# Altium PCB Booster_Main_Board.PcbDoc (part 9 of 11)
Units mil, origin at the board's own origin, x right, y up, seen from the top; angles counter-clockwise.
Board outline 15748.38 x 4626.33 mil, 4 copper layers (Component Side, Signal Layer 1, Power Plane, Solder Side), stack 63.149 mil thick; 999 components, 572 nets, 2902 pads, 1949 vias.
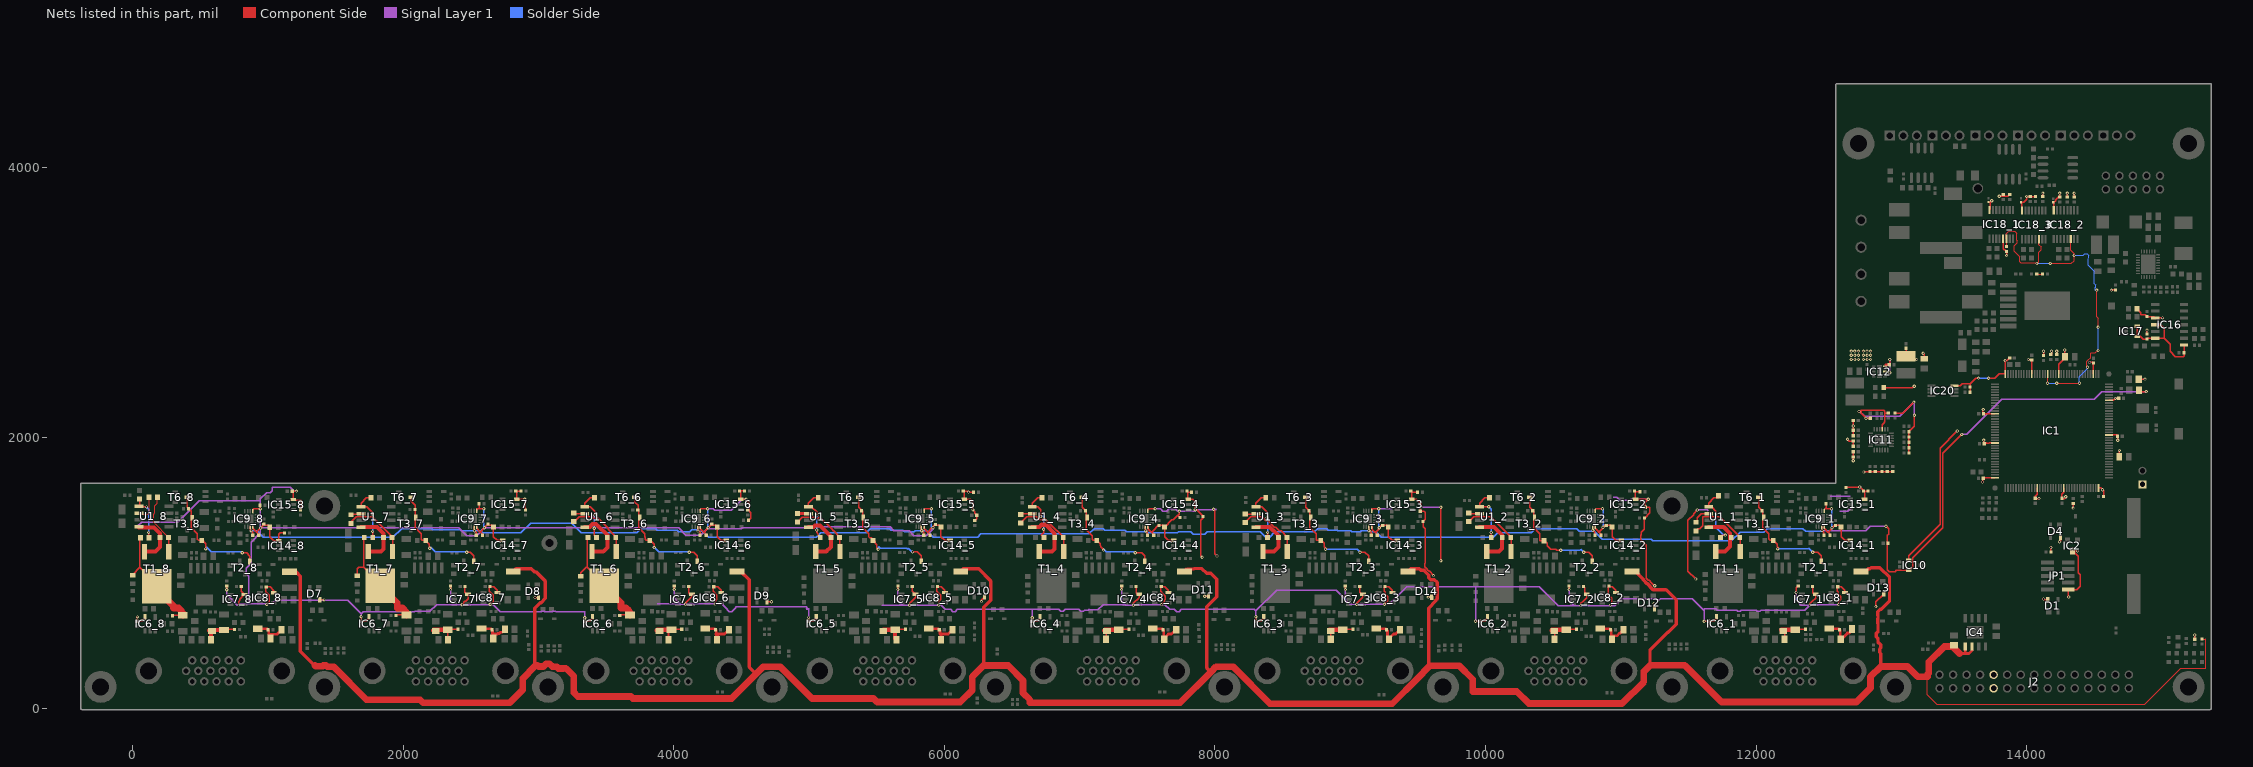
[diagram p11: the nets of this part, all layers, seen from the top]

## Via types
v1: diameter 23.62, hole 11.81, Component Side to Solder Side, tented both sides, 1910 vias
v2: diameter 50, hole 28, Component Side to Solder Side, tented both sides, 24 vias
v3: diameter 23.62, hole 11.81, Component Side to Solder Side, 10 vias
v4: diameter 47.24, hole 31.5, Component Side to Solder Side, 5 vias

## Nets (pads, with @x,y where several pads share a name; then routed paths per layer and width w, separated by ;. In a path a pad name is that pad's centre, name@x,y a point inside that pad or via, vN(x,y) a via of type N, cw(c..) or ccw(c..) an arc to the next point about the centre after c; other vN are vias at no path point) (continued)
NetR7_6_2: R7_6.2 R8_6.2 R37_6.2 R44_6.2 T1_6.3 | length 851.6
  Component Side w10: R7_6.2@3312.84,975.68 3312.84,1001.84 3353.03,1042.03 3360.2,1042.03 ; R8_6.2@3365.59,1261.14 3360.2,1255.75 3360.2,1042.03 ; T1_6.3@3394.09,1008.14 3360.2,1042.03 ; T1_6.3@3484.65,903.78 T1_6.3@3553.54,972.68 ; R44_6.2@3600.59,685 3604.65,689.06 R37_6.2@3677.09,689.06
  Component Side w50: T1_6.3@3484.65,903.78 3609.09,779.33 3609.09,758.33 3609.9,757.53 3609.9,740.83 3647.6,740.83 3664.28,724.15 3664.28,718.75 3677.09,705.94 R37_6.2@3677.09,689.06
NetR7_7_2: R7_7.2 R8_7.2 R37_7.2 R44_7.2 T1_7.3 | length 864.8
  Component Side w10: R7_7.2@1660.3,978.68 1660.3,1031.3 1671.03,1042.03 1706.65,1042.03 ; R8_7.2@1712.05,1261.14 1706.65,1255.75 1706.65,1042.03 ; T1_7.3@1740.54,1008.14 1706.65,1042.03 ; T1_7.3@1831.1,903.78 T1_7.3@1900,972.68 ; R44_7.2@1947.05,685 1951.1,689.06 R37_7.2@2023.54,689.06
  Component Side w50: T1_7.3@1831.1,903.78 1955.55,779.33 1955.55,758.33 1956.35,757.53 1956.35,740.83 1994.06,740.83 2010.73,724.15 2010.73,718.75 2023.54,705.94 R37_7.2@2023.54,689.06
NetR7_8_2: R7_8.2 R8_8.2 R37_8.2 R44_8.2 T1_8.3 | length 841
  Component Side w10: R7_8.2@0,983.27 0,987.78 53.11,1040.89 ; R8_8.2@58.5,1260 53.11,1254.61 53.11,1040.89 ; T1_8.3@87,1007 53.11,1040.89 ; T1_8.3@177.56,902.64 T1_8.3@246.46,971.54 ; R44_8.2@293.5,683.86 297.56,687.91 R37_8.2@370,687.91
  Component Side w50: T1_8.3@177.56,902.64 177.56,881.64 302.81,756.39 302.81,739.69 340.51,739.69 357.19,723.01 357.19,717.61 370,704.8 R37_8.2@370,687.91
NetR8_1_1: R8_1.1 R9_1.2 U1_1.5 | length 446.5
  Component Side w10: v1(11702.76,1437.01) 11702.76,1456.69 11670.83,1488.62 U1_1.5@11649.02,1488.62 11649.02,1514.98 11688.4,1554.37 R9_1.2@11721.85,1554.37 ; R8_1.1@11735.67,1261.14 11734,1259.47 11732.26,1261.21 11750.58,1279.53 v1(11771.65,1279.53)
  Solder Side w10: v1(11702.76,1437.01) 11702.76,1337.24 11760.47,1279.53 v1(11771.65,1279.53)
NetR8_2_1: R8_2.1 R9_2.2 U1_2.5 | length 416.8
  Component Side w10: U1_2.5@9956.1,1488.62 9956.1,1514.98 9995.49,1554.37 R9_2.2@10028.94,1554.37 ; U1_2.5@9963.19,1488.62 v1(10023.74,1488.62) ; v1(10042,1298.42) 10042,1275 10035.45,1268.45 R8_2.1@10042.76,1261.14
  Solder Side w10: v1(10023.74,1488.62) 10042,1470.36 v1(10042,1298.42)
NetR8_3_1: R8_3.1 R9_3.2 U1_3.5 | length 413.2
  Component Side w10: R9_3.2@8375.39,1554.37 8341.94,1554.37 8302.56,1514.98 U1_3.5@8302.56,1488.62 8344.06,1488.62 8385.83,1446.85 v1(8385.83,1407.48) ; v1(8389,1298.96) 8389,1281 8379.18,1271.18 R8_3.1@8389.21,1261.14
  Solder Side w10: v1(8385.83,1407.48) 8389,1407.48 v1(8389,1298.96)
NetR8_4_1: R8_4.1 R9_4.2 U1_4.5 | length 430.9
  Component Side w10: v1(6712.59,1417.32) 6712.59,1466.55 6690.51,1488.62 U1_4.5@6649.02,1488.62 6649.02,1514.98 6688.4,1554.37 R9_4.2@6721.85,1554.37 ; v1(6733,1323) 6733,1296.5 6716.65,1280.16 R8_4.1@6735.67,1261.14
  Solder Side w10: v1(6712.59,1417.32) 6714.11,1418.85 6733,1418.85 v1(6733,1323)
NetR8_5_1: R8_5.1 R9_5.2 U1_5.5 | length 397.8
  Component Side w10: v1(5056,1317) 5056,1299.05 5069,1286.05 5063.11,1280.16 R8_5.1@5082.13,1261.14 ; v1(5059.06,1427.17) 5059.06,1446.85 5017.28,1488.62 U1_5.5@4995.47,1488.62 4995.47,1514.98 5034.86,1554.37 R9_5.2@5068.31,1554.37
  Solder Side w10: v1(5056,1317) v1@5056,1427.17
NetR8_6_1: R8_6.1 R9_6.2 U1_6.5 | length 406
  Component Side w10: v1(3412,1330) 3412,1277.72 R8_6.1@3428.58,1261.14 ; R9_6.2@3414.76,1554.37 3381.32,1554.37 3341.93,1514.98 U1_6.5@3341.93,1488.62 3383.43,1488.62 3415.35,1456.69 v1(3415.35,1427.17)
  Solder Side w10: v1(3412,1330) 3412,1423.81 v1(3415.35,1427.17)
NetR8_7_1: R8_7.1 R9_7.2 U1_7.5 | length 403.2
  Component Side w10: R9_7.2@1761.22,1554.37 1727.77,1554.37 1688.39,1514.98 U1_7.5@1688.39,1488.62 1729.88,1488.62 1771.65,1446.85 v1(1771.65,1437.01) ; v1(1774,1307) 1774,1262.18 R8_7.1@1775.04,1261.14
  Solder Side w10: v1(1771.65,1437.01) 1774,1434.66 v1(1774,1307)
NetR8_8_1: R8_8.1 R9_8.2 U1_8.5 | length 379.2
  Component Side w10: U1_8.5@41.93,1487.48 v1(102.48,1487.48) ; U1_8.5@47.78,1485 37.32,1485 34.84,1487.48 51.18,1503.82 R9_8.2@51.18,1545.28 ; v1(118,1299.27) 118,1275 112.25,1269.25 R8_8.1@121.5,1260
  Solder Side w10: v1(102.48,1487.48) 118,1471.96 v1(118,1299.27)
NetR12_1_1: R12_1.1 R29_1.2 T1_1.1 | length 558.9
  Component Side w10: R29_1.2@11564.96,1326.77 11582.68,1326.77 11604.33,1348.43 11604.33,1413.39 11731.93,1413.39 11823.98,1321.34 11823.98,1320.74 11833.89,1310.83 11834.49,1310.83 11881.5,1263.82 T1_1.1@11881.5,1157.72
NetR12_1_2: R12_1.2 T1_1.2 U1_1.8 | length 395.5
  Component Side w30: U1_1.8@11649.02,1338.62 11649.2,1338.81 11760.45,1338.81 11807.52,1291.74 11807.52,1195.52 11769.72,1157.72 T1_1.2@11701.97,1157.72
NetR12_2_1: R12_2.1 R29_2.2 T1_2.1 | length 496.7
  Component Side w10: R29_2.2@9875,1379.92 9877.95,1379.92 9912.4,1414.37 10038.03,1414.37 10131.06,1321.34 10131.06,1320.74 10140.97,1310.83 10141.57,1310.83 10188.58,1263.82 T1_2.1@10188.58,1157.72
NetR12_2_2: R12_2.2 T1_2.2 U1_2.8 | length 410.4
  Component Side w30: U1_2.8@9956.1,1338.62 10061.38,1338.62 10121,1279 10121,1179 10099.72,1157.72 T1_2.2@10009.06,1157.72
NetR12_3_1: R12_3.1 R29_3.2 T1_3.1 | length 497.5
  Component Side w10: R29_3.2@8224.41,1372.05 8224.41,1375 8262.8,1413.39 8347.66,1413.39 8376.38,1384.67 8393.6,1384.67 8439.65,1338.62 8447.44,1338.62 8475.24,1310.83 8488.03,1310.83 8535.04,1263.82 T1_3.1@8535.04,1157.72
NetR12_3_2: R12_3.2 T1_3.2 U1_3.8 | length 405.5
  Component Side w30: U1_3.8@8302.56,1338.62 8402.88,1338.62 8428.88,1312.62 8432.38,1312.62 8470,1275 8470,1192 8435.72,1157.72 T1_3.2@8355.51,1157.72
NetR12_4_1: R12_4.1 R29_4.2 T1_4.1 | length 511.3
  Component Side w10: R29_4.2@6563.98,1369.09 6563.98,1370.08 6608.27,1414.37 6683.28,1414.37 6703.14,1394.51 6722.03,1394.51 6727.19,1399.66 6745.65,1399.66 6745.65,1396.71 6831.54,1310.83 6834.49,1310.83 6881.5,1263.82 T1_4.1@6881.5,1157.72
NetR12_4_2: R12_4.2 T1_4.2 U1_4.8 | length 434.5
  Component Side w30: U1_4.8@6649.02,1338.62 6702.22,1338.62 6719.41,1355.81 6749.78,1355.81 6814,1291.59 6814,1175 6796.72,1157.72 T1_4.2@6701.97,1157.72
NetR12_5_1: R12_5.1 R29_5.2 T1_5.1 | length 503.4
  Component Side w10: R29_5.2@4914.37,1375.98 4950.8,1412.42 5041.54,1412.42 5049.61,1404.35 5068.5,1404.35 5076.57,1412.42 5079.35,1412.42 5170.43,1321.34 5170.43,1320.74 5180.34,1310.83 5180.94,1310.83 5227.95,1263.82 T1_5.1@5227.95,1157.72
NetR12_5_2: R12_5.2 T1_5.2 U1_5.8 | length 408
  Component Side w30: U1_5.8@4995.47,1338.62 5031.22,1338.62 5042.41,1349.81 5081.19,1349.81 5161,1270 5161,1192 5126.72,1157.72 T1_5.2@5048.43,1157.72
NetR12_6_1: R12_6.1 R29_6.2 T1_6.1 | length 501.6
  Component Side w10: R29_6.2@3259.84,1379.92 3266.73,1379.92 3301.18,1414.37 3395.89,1414.37 3405.91,1404.35 3440.67,1404.35 3516.89,1328.14 3516.89,1320.74 3526.8,1310.83 3527.4,1310.83 3574.41,1263.82 T1_6.1@3574.41,1157.72
NetR12_6_2: R12_6.2 T1_6.2 U1_6.8 | length 432.3
  Component Side w30: U1_6.8@3341.93,1338.62 3379.19,1338.62 3379.19,1343.59 3398.41,1362.81 3425.59,1362.81 3440.7,1347.7 3508.59,1279.81 R12_6.2@3508.59,1262.14 3508.59,1187.59 3478.72,1157.72 T1_6.2@3394.88,1157.72
NetR12_7_1: R12_7.1 R29_7.2 T1_7.1 | length 501.9
  Component Side w10: R29_7.2@1605.32,1372.05 1610.24,1372.05 1652.56,1414.37 1762.03,1414.37 1762.2,1414.2 1770.49,1414.2 1863.35,1321.34 1863.35,1320.74 1873.26,1310.83 1873.86,1310.83 1920.87,1263.82 T1_7.1@1920.87,1157.72
NetR12_7_2: R12_7.2 T1_7.2 U1_7.8 | length 422
  Component Side w30: U1_7.8@1688.39,1338.62 1689.57,1339.81 1805.45,1339.81 1855.05,1290.21 R12_7.2@1855.05,1262.14 1855.05,1178.05 1834.72,1157.72 T1_7.2@1741.34,1157.72
NetR12_8_1: R12_8.1 R29_8.2 T1_8.1 | length 458.9
  Component Side w8: R29_8.2@183.07,1558.07 183.07,1515.75 165.35,1498.03 165.35,1442.91 156.5,1434.06 156.5,1372.9 264.5,1264.9 R12_8.1@264.5,1261
  Component Side w10: T1_8.1@267.32,1156.57 R12_8.1@267.32,1262.68
NetR12_8_2: R12_8.2 T1_8.2 U1_8.8 | length 413.3
  Component Side w10: U1_8.8@34.84,1337.48 U1_8.8@47.78,1337.48
  Component Side w30: U1_8.8@47.78,1335 157,1335 202,1290 202,1191 167.57,1156.57 T1_8.2@87.8,1156.57
NetR17_1_1: R17_1.1 R40_1.1 T2_1.1 T3_1.1 T6_1.3 | length 846.8
  Component Side w10: T6_1.3@12019.09,1559.29 12019.09,1486.65 12048.58,1457.17 12048.58,1334.73 12093.17,1290.14 12093.17,1251.83 12105,1240 R17_1.1@12126.5,1240 12154.25,1212.24 12154.25,1194.11 12166.36,1182 12161.36,1177 v1(12160,1177) ; v1(12419,1153) 12454.39,1153 12481.57,1125.81 T2_1.1@12481.57,1085.28
  Solder Side w10: v1(12160,1177) 12385,1177 12390,1182 v1(12419,1153)
NetR17_2_1: R17_2.1 R40_2.1 T2_2.1 T3_2.1 T6_2.3 | length 843.2
  Component Side w10: T6_2.3@10326.18,1559.29 10326.18,1486.65 10355.67,1457.17 10355.67,1334.73 10400.26,1290.14 10400.26,1239 10433.5,1239 10455.19,1217.31 10455.19,1198.85 10480.85,1173.19 10518.27,1173.19 10519.08,1174 10525.08,1168 v1(10556,1168) ; v1(10726,1153) 10761.47,1153 10788.66,1125.81 T2_2.1@10788.66,1085.28
  Solder Side w10: v1(10556,1168) 10699,1168 10705,1174 v1(10726,1153)
NetR17_3_1: R17_3.1 R40_3.1 T2_3.1 T3_3.1 T6_3.3 | length 858.5
  Component Side w10: T6_3.3@8672.64,1559.29 8672.64,1486.65 8702.13,1457.17 8702.13,1334.73 8746.72,1290.14 8746.72,1265.25 8747.22,1264.75 8747.22,1245 8752.22,1240 R17_3.1@8781.5,1240 ; R17_3.1@8781.5,1240.14 8786.12,1240.14 8807.79,1218.46 8807.79,1194.11 v1@8826.9,1175 ; v1(8817,1175) v1@8826.9,1175 ; v1@8827.9,1174 v1@8826.9,1175 ; v1(9072,1153) 9107.93,1153 9135.12,1125.81 T2_3.1@9135.12,1085.28
  Solder Side w10: v1(8817,1175) 9050,1175 v1(9072,1153)
NetR17_4_1: R17_4.1 R40_4.1 T2_4.1 T3_4.1 T6_4.3 | length 850.6
  Component Side w10: T6_4.3@7019.09,1559.29 7019.09,1486.65 7048.58,1457.17 7048.58,1319.16 7093.17,1274.57 7093.17,1246.83 7099.86,1240.14 7126.5,1240.14 7152.81,1213.83 7152.81,1201.44 7154.25,1200 7154.25,1194.11 7174.98,1173.37 v1(7174.98,1168.52) ; v1(7411,1149) 7458.39,1149 7481.57,1125.81 T2_4.1@7481.57,1085.28
  Solder Side w10: v1@7174.56,1179 v1@7174.98,1178.58 ; v1(7174.98,1168.52) v1@7174.98,1178.58 ; v1(7411,1149) 7407.31,1149 7399.55,1156.76 7196.8,1156.76 v1@7174.98,1178.58
NetR17_5_1: R17_5.1 R40_5.1 T2_5.1 T3_5.1 T6_5.3 | length 862.3
  Component Side w10: T6_5.3@5365.55,1559.29 5365.55,1486.65 5395.04,1457.17 5395.04,1334.73 5439.63,1290.14 5439.63,1265.59 5446.07,1259.14 5453.37,1259.14 5454.18,1258.33 5460.93,1258.33 5490,1229.26 5490,1220 5500.71,1209.29 5500.71,1184.29 v1(5510,1175) ; v1(5764,1155) 5798.84,1155 5828.03,1125.81 T2_5.1@5828.03,1085.28
  Solder Side w10: v1(5510,1175) 5510,1188.59 5515.26,1193.85 5515.26,1192.37 5524.64,1183 5720.29,1183 5728.28,1175 5734.28,1181 5762.14,1153.14 v1(5764,1155)
NetR17_6_1: R17_6.1 R40_6.1 T2_6.1 T3_6.1 T6_6.3 | length 855.5
  Component Side w10: T6_6.3@3712.01,1559.29 3712.01,1522.99 3735.66,1499.34 3735.66,1470.83 3741.5,1465 3741.5,1334.73 3786.09,1290.14 3786.09,1265.38 3787.22,1264.24 3787.22,1247.78 3795,1240 R17_6.1@3821.5,1240 ; R17_6.1@3821.5,1240.14 R17_6.1@3826.12,1240.14 ; R17_6.1@3825.98,1240 R17_6.1@3826.12,1240.14 ; v1(3855,1187) 3855,1210.93 3847,1218.93 3847.16,1219.09 R17_6.1@3826.12,1240.14 ; v1(4114,1153) 4147.3,1153 4174.49,1125.81 T2_6.1@4174.49,1085.28
  Solder Side w10: v1(3855,1187) 3850.74,1187 3848,1189.74 3852.37,1194.11 3889.71,1156.76 4110.24,1156.76 v1(4114,1153)
NetR17_7_1: R17_7.1 R40_7.1 T2_7.1 T3_7.1 T6_7.3 | length 855.7
  Component Side w10: T6_7.3@2058.46,1559.29 2058.46,1529.54 2087.95,1500.05 2087.95,1334.73 2132.54,1290.14 2132.54,1247.46 2139.86,1240.14 R17_7.1@2166.5,1240.14 ; R17_7.1@2166.5,1240 2193.62,1212.87 2193.62,1194.11 2205,1182.73 2204.27,1182 v1(2196,1182) ; v1(2469,1152) 2494.76,1152 2520.94,1125.81 T2_7.1@2520.94,1085.28
  Solder Side w10: v1(2196,1182) 2199.07,1182 2205,1187.93 2236.17,1156.76 2464.24,1156.76 v1(2469,1152)
NetR17_8_1: R17_8.1 R40_8.1 T2_8.1 T3_8.1 T6_8.3 | length 861.9
  Component Side w10: T6_8.3@404.92,1558.15 404.92,1485.51 434.41,1456.02 434.41,1333.59 479,1289 479,1251.27 479.5,1250.77 479.5,1250.5 490,1240 R17_8.1@511.5,1240 516.5,1240 538.31,1218.18 540.08,1218.18 540,1218.1 v1(540,1177) ; v1(810,1149) 843.07,1149 867.4,1124.67 T2_8.1@867.4,1084.13
  Solder Side w10: v1(540,1177) 540,1186.73 545.76,1192.49 582.62,1155.62 803.38,1155.62 v1(810,1149)
NetR26_1: R26.1 R27.2 | length 41.7
  Component Side w6: R27.2@14073.62,3208.66 R26.1@14115.35,3208.66
NetR29_1_1: R29_1.1 U1_1.6 | length 115.6
  Component Side w10: R29_1.1@11564.96,1389.76 11564.96,1409.09 11594.49,1438.62 U1_1.6@11649.02,1438.62
NetR29_2_1: R29_2.1 U1_2.6 | length 82.9
  Component Side w10: R29_2.1@9875,1442.91 9879.29,1438.62 U1_2.6@9956.1,1438.62
NetR29_3_1: R29_3.1 U1_3.6 | length 79.6
  Component Side w10: R29_3.1@8224.41,1435.04 8298.98,1435.04 U1_3.6@8302.56,1438.62
NetR29_4_1: R29_4.1 U1_4.6 | length 87.7
  Component Side w10: R29_4.1@6563.98,1432.09 6570.51,1438.62 U1_4.6@6649.02,1438.62
NetR29_5_1: R29_5.1 U1_5.6 | length 81.2
  Component Side w25: R29_5.1@4914.37,1438.98 4995.12,1438.98 U1_5.6@4995.47,1438.62
NetR29_6_1: R29_6.1 U1_6.6 | length 83.9
  Component Side w10: R29_6.1@3259.84,1442.91 3264.13,1438.62 U1_6.6@3341.93,1438.62
NetR29_7_1: R29_7.1 U1_7.6 | length 84.6
  Component Side w10: R29_7.1@1605.32,1435.04 1684.8,1435.04 U1_7.6@1688.39,1438.62
NetR29_8_1: R29_8.1 U1_8.6 | length 194.2
  Component Side w8: U1_8.6@47.78,1435 112.17,1435 124.29,1447.13 124.29,1553.86 R29_8.1@120.08,1558.07
OUT_BIAS_1: C33_1.2 FB5_1.1 R38_1.2 R47_1.2 | length 279.1
  Component Side w20: R38_1.2@12539.17,587.91 12607.76,587.91 R47_1.2@12615.67,580 12621.26,574.41 12621.26,509.17 12625.43,505 12670.72,550.29 12670.72,551.8 12673.93,555 12688.74,555 C33_1.2@12713.74,580
OUT_BIAS_2: C33_2.2 FB5_2.1 R38_2.2 R47_2.2 | length 238.2
  Component Side w20: R38_2.2@10846.26,587.91 10914.84,587.91 R47_2.2@10922.76,580 10928.35,574.41 10928.35,535 10970.67,535 10990.21,554.54 10995.37,554.54 C33_2.2@11020.83,580
OUT_BIAS_3: C33_3.2 FB5_3.1 R38_3.2 R47_3.2 | length 269.2
  Component Side w20: R38_3.2@9192.72,587.91 9261.3,587.91 R47_3.2@9269.21,580 9274.8,574.41 9274.8,520.63 FB5_3.1@9285.43,510 9285.43,513.23 9320,547.8 9335.08,547.8 C33_3.2@9367.28,580
OUT_BIAS_4: C33_4.2 FB5_4.1 R38_4.2 R47_4.2 | length 275.9
  Component Side w20: R38_4.2@7539.17,587.91 7607.76,587.91 R47_4.2@7615.67,580 7621.26,574.41 7621.26,514.17 FB5_4.1@7625.43,510 7625.43,518.23 7655,547.8 7678.55,547.8 7710.76,580 C33_4.2@7713.74,580
OUT_BIAS_5: C33_5.2 FB5_5.1 R38_5.2 R47_5.2 | length 266.1
  Component Side w20: R38_5.2@5885.63,587.91 5954.21,587.91 R47_5.2@5962.13,580 5967.72,574.41 5967.72,547.8 ; FB5_5.1@5975.43,505 5975.43,540.08 5967.72,547.8 ; C33_5.2@6060.2,580 6027.99,547.8 5967.72,547.8
OUT_BIAS_6: C33_6.2 FB5_6.1 R38_6.2 R47_6.2 | length 265.5
  Component Side w20: R38_6.2@4232.09,587.91 4300.67,587.91 R47_6.2@4308.58,580 4314.17,574.41 4314.17,547.8 4374.45,547.8 C33_6.2@4406.65,580
  Component Side w30: 4314.17,547.8 4320.43,541.54 FB5_6.1@4320.43,505
OUT_BIAS_7: C33_7.2 FB5_7.1 R38_7.2 R47_7.2 | length 220.5
  Component Side w20: R38_7.2@2578.54,587.91 2647.13,587.91 R47_7.2@2655.04,580 2660.63,574.41 2660.63,547.8 2695.28,547.8 2699.28,551.8 2710.09,551.8 2719.46,561.17 2719.46,561.89 2732.65,561.89 2750.76,580 C33_7.2@2753.11,580
OUT_BIAS_8: C33_8.2 FB5_8.1 R38_8.2 R47_8.2 | length 220.1
  Component Side w20: R38_8.2@925,586.77 993.58,586.77 R47_8.2@1001.5,578.86 1007.09,573.27 1007.09,546.65 1067.36,546.65 C33_8.2@1099.57,578.86
OVERN: IC1.56 IC18_1.14 IC18_2.14 IC18_3.14 R23.2 | length 2695.5
  Component Side w6: R23.2@13850.39,3412.2 13850.39,3469.59 IC18_1.14@13849.51,3470.47 13849.51,3506.99 13866.14,3523.62 13912.4,3523.62 13927.17,3508.86 13927.17,3457.68 13930.12,3454.72 13930.12,3441.93 13906.5,3418.31 13906.5,3377.45 13946.71,3337.23 13946.71,3300.37 13954.24,3292.84 14068.05,3292.84 v1(14074.8,3286.09) 14089.67,3300.95 14089.67,3370.74 14106.14,3387.21 14106.14,3409.76 14089.67,3426.24 IC18_3.14@14089.67,3466.54 ; v1(14153.54,2401.57) 14156.47,2404.5 IC1.56@14156.47,2470.26 ; v1(14173.2,3287.39) 14330.7,3287.39 14350.39,3307.09 v1(14350.39,3346.46) 14350.39,3359.39 14325.93,3383.86 14325.93,3467.48 IC18_2.14@14324.9,3468.5 ; v1(14222.44,2401.57) v1(14389.76,2401.57) ; v1(14448.82,2519.69) 14442.97,2525.54 14442.97,2563.84 14455.16,2576.03 14455.95,2576.03 14471.8,2591.87 14471.8,2602.65 14473.94,2604.8 14473.94,2623.55 14478.35,2627.95 14507.87,2627.95 14527.19,2647.27 v1(14527.19,2644.77) ; v1(14517.69,3090.54) 14517.69,2893.67 14527.56,2883.8 v1(14527.56,2814.96)
  Solder Side w6: v1(14074.8,3286.09) 14076.12,3287.4 v1(14173.2,3287.39) ; v1(14153.54,2401.57) v1(14222.44,2401.57) ; v1(14350.39,3346.46) 14419.29,3346.46 14430.25,3357.42 14447.7,3357.42 14459.76,3345.36 14459.76,3327.99 14454.26,3322.49 14454.26,3273.82 14500.19,3227.89 14500.19,3137.51 14509,3128.7 14509,3111.46 14507.87,3110.33 v1@14507.87,3090.55 ; v1(14389.76,2401.57) 14389.76,2450.79 14448.82,2509.84 v1(14448.82,2519.69) ; v1(14527.19,2644.77) 14527.19,2814.59 v1(14527.56,2814.96)
P1V25_REF: IC16.4 IC16.6 IC16.8 IC17.1 IC17.2 R93.2 R100.1 | length 759.7
  Component Side w10: IC17.1@14816.93,2748.03 IC17.1@14825.79,2748.03 ; IC17.2@14816.93,2822.83 14816.93,2756.89 IC17.1@14825.79,2748.03 ; IC16.4@14949.77,2834.63 14991.59,2834.63 15017.59,2808.63 15017.59,2734.63 ; IC16.8@15162.37,2684.63 15162.92,2684.07 R93.2@15162.92,2626.8 15162.92,2605.31 15156.04,2598.43 15098.43,2598.43 15060.42,2636.43 15060.42,2691.8 15017.59,2734.63 ; IC17.1@14825.79,2748.03 14839.19,2748.03 14859.66,2727.56 R100.1@14888.78,2727.56 14895.85,2734.63 IC16.6@14949.77,2734.63 15017.59,2734.63
P2V5_REF: C51_1.1 C51_2.1 C51_3.1 C51_4.1 C51_5.1 C51_6.1 C51_7.1 C51_8.1 C52.1 FB2.2 IC9_1.15 IC9_2.15 IC9_3.15 IC9_4.15 IC9_5.15 IC9_6.15 IC9_7.15 IC9_8.15 IC10.2 | length 16347.3
  Component Side w10: IC9_8.15@869.84,1340.79 869.84,1316.16 v1(876,1310) 887,1299 C51_8.1@887,1277.72 ; v1@2523.39,1317.3 IC9_7.15@2523.39,1341.93 ; v1@2527.84,1312.84 2540.54,1300.14 C51_7.1@2540.54,1278.86 ; IC9_6.15@4176.93,1341.93 4176.93,1311.07 v1(4179,1309) ; v1@4182.11,1312.11 4194.09,1300.14 C51_6.1@4194.09,1278.86 ; v1@5830.47,1317.3 IC9_5.15@5830.47,1341.93 ; v1@5834.89,1312.89 5847.63,1300.14 C51_5.1@5847.63,1278.86 ; IC9_4.15@7484.02,1341.93 7484.02,1317.3 7501.17,1300.14 C51_4.1@7501.17,1278.86 ; v1@9137.56,1317.3 IC9_3.15@9137.56,1341.93 ; v1@9140.43,1314.43 9154.72,1300.14 C51_3.1@9154.72,1278.86 ; v1(10793,1315) 10792,1316 10792,1316.4 10808.26,1300.14 C51_2.1@10808.26,1278.86 ; IC9_1.15@12484.02,1341.93 12484.02,1317.3 v1@12487.16,1314.16 ; v1(12487,1314) v1@12487.16,1314.16 ; C51_1.1@12501.17,1278.86 12501.17,1300.14 v1@12487.16,1314.16 ; v1(12960,1345) 12978.81,1326.19 12978.81,1285.55 12970.19,1276.93 12970.19,1022.55 12983.55,1009.19 13026.45,1009.19 13035.86,1018.6 IC10.2@13126.76,1018.6 13132.6,1018.6 13158.43,1044.43 13158.43,1111.43 13379,1332 13379,1884 v1(13519,2024) ; FB2.2@14828.43,2350 14838.43,2340 v1(14884,2340)
  Signal Layer 1 w10: v1(12487,1314) 12490.67,1310.33 12810.24,1310.33 12844.72,1344.81 v1@12957,1344.81 ; v1(13519,2024) 13555,2024 13815,2284 14499,2284 14555,2340 v1(14884,2340)
  Solder Side w10: v1(876,1310) 919.42,1310 965.02,1264.4 1924.4,1264.4 1987.95,1327.95 2211.99,1327.95 2219.94,1320 2419,1320 2427.81,1311.19 2526.19,1311.19 v1(2527,1312) 2528,1311 2573.1,1311 2588.91,1295.19 2869.99,1295.19 2942.91,1368.11 3244.01,1368.11 3316.93,1295.19 3725.99,1295.19 3758.75,1327.95 3865.54,1327.95 3876.49,1317 4024,1317 4035.81,1305.19 4117.99,1305.19 4131.8,1319 4169,1319 v1(4179,1309) 4206.74,1309 4209.74,1312 4257.34,1264.4 5052.63,1264.4 5086.56,1298.33 5423.56,1298.33 5453.18,1327.95 5596.31,1327.95 5607.31,1316.95 5693.25,1316.95 5707.2,1303 5778,1303 5786,1311 v1(5833,1311) 5859.74,1311 5862.74,1314 5864.55,1312.19 5870.81,1312.19 5918.6,1264.4 6244.73,1264.4 6268.52,1288.19 7066.96,1288.19 7106.72,1327.95 7172.62,1327.95 7185.57,1315 7228.77,1315 7230.72,1316.95 7334.05,1316.95 7347.81,1303.19 7481.19,1303.19 v1(7488,1310) 7488,1316 7505.67,1298.33 7725.07,1298.33 7729.55,1302.81 7819.36,1302.81 7838.09,1284.08 7923.31,1284.08 7942.04,1302.81 8335.92,1302.81 8374.58,1264.15 8403.42,1264.15 8442.08,1302.81 8735.13,1302.81 8760.27,1327.95 8826.17,1327.95 8837.17,1316.95 8903.17,1316.95 8908.12,1312 9003.2,1312 9010.01,1305.19 9074.42,1305.19 9081.23,1312 v1(9138,1312) 9143,1312 9151.4,1303.6 9189.6,1303.6 9229.59,1263.61 10056.42,1263.61 10091.14,1298.33 10339.13,1298.33 10368.75,1327.95 10673.82,1327.95 10692.58,1309.19 10787.19,1309.19 v1(10793,1315) 10796,1315 10864.13,1246.87 11223.37,1246.87 11234.24,1236 11816.82,1236 11883.01,1302.19 12055.99,1302.19 12081.75,1327.95 12346.13,1327.95 12366.9,1307.19 12480.19,1307.19 v1(12487,1314)
P3V3: C5.1 C6.1 C7.1 C8.1 C9.1 C10.1 C11.1 C12.1 C13.1 C14.1 C15.1 C16.1 C43_1.2 C43_2.2 C43_3.2 C43_4.2 C43_5.2 C43_6.2 C43_7.2 C43_8.2 C45_1.2 C45_2.2 C45_3.2 C45_4.2 C45_5.2 C45_6.2 C45_7.2 C45_8.2 C47_1.2 C47_2.2 C47_3.2 C47_4.2 C47_5.2 C47_6.2 C47_7.2 C47_8.2 C50_1.1 C50_2.1 C50_3.1 C50_4.1 C50_5.1 C50_6.1 C50_7.1 C50_8.1 C53.1 C55.2 C56.2 C60_1.2 C60_2.2 C60_3.2 C60_4.2 C60_5.2 C60_6.2 C60_7.2 C60_8.2 C65.1 C113_1.2 C113_2.2 C113_3.2 D1.4 D4.4 D7.4 D8.4 D9.4 D10.4 D11.4 D12.4 D13.4 D14.4 FB1.2 IC1.17 IC1.30 IC1.39 IC1.52 IC1.62 IC1.72 IC1.84 IC1.95 IC1.108 IC1.121 IC1.131 IC1.144 IC2.3 IC6_1.5 IC6_2.5 IC6_3.5 IC6_4.5 IC6_5.5 IC6_6.5 IC6_7.5 IC6_8.5 IC7_1.5 IC7_2.5 IC7_3.5 IC7_4.5 IC7_5.5 IC7_6.5 IC7_7.5 IC7_8.5 IC8_1.5 IC8_2.5 IC8_3.5 IC8_4.5 IC8_5.5 IC8_6.5 IC8_7.5 IC8_8.5 IC9_1.5 IC9_1.16 IC9_2.5 IC9_2.16 IC9_3.5 IC9_3.16 IC9_4.5 IC9_4.16 IC9_5.5 IC9_5.16 IC9_6.5 IC9_6.16 IC9_7.5 IC9_7.16 IC9_8.5 IC9_8.16 IC10.1 IC11.21 IC12.8 IC12.10 IC14_1.1 IC14_2.1 IC14_3.1 IC14_4.1 IC14_5.1 IC14_6.1 IC14_7.1 IC14_8.1 IC15_1.3 IC15_2.3 IC15_3.3 IC15_4.3 IC15_5.3 IC15_6.3 IC15_7.3 IC15_8.3 IC16.3 IC18_1.8 IC18_1.13 IC18_2.8 IC18_3.8 IC20.8 J2.21 J2.22 JP1.1 JP2.1 L2.2 R1.1 R5.1 R6.1 R14.2 R22.1 R23.1 R24.1 R25.1 R32_1.1 R32_2.1 R32_3.1 R32_4.1 R32_5.1 R32_6.1 R32_7.1 R32_8.1 R36.1 R41.1 R51_1.1 R51_2.1 R51_3.1 R51_4.1 R51_5.1 R51_6.1 R51_7.1 R51_8.1 R52_1.1 R52_2.1 R52_3.1 R52_4.1 R52_5.1 R52_6.1 R52_7.1 R52_8.1 R57_1.2 R57_2.2 R57_3.2 R57_4.2 R57_5.2 R57_6.2 R57_7.2 R57_8.2 R60.1 R61.2 R62.1 R63.2 R64.2 R65.2 R68.2 R70.2 R71.2 R72.2 R73.2 R74.2 R75.2 R76.2 R77.2 R78.2 R79.2 R80.2 R81.2 R89_1.2 R89_2.2 R89_3.2 R89_4.2 R89_5.2 R89_6.2 R89_7.2 R89_8.2 R92.1 R94.1 R100.2 R105.2 R107_1.2 R107_2.2 R107_3.2 R107_4.2 R107_5.2 R107_6.2 R107_7.2 R107_8.2 R111.2 R112.2 R113.2 R147_1.2 R147_2.2 R147_3.2 R148_1.2 R148_2.2 R148_3.2 | length 43671.7